# KiCad board RADAR_Main_Board.kicad_pcb (continued)
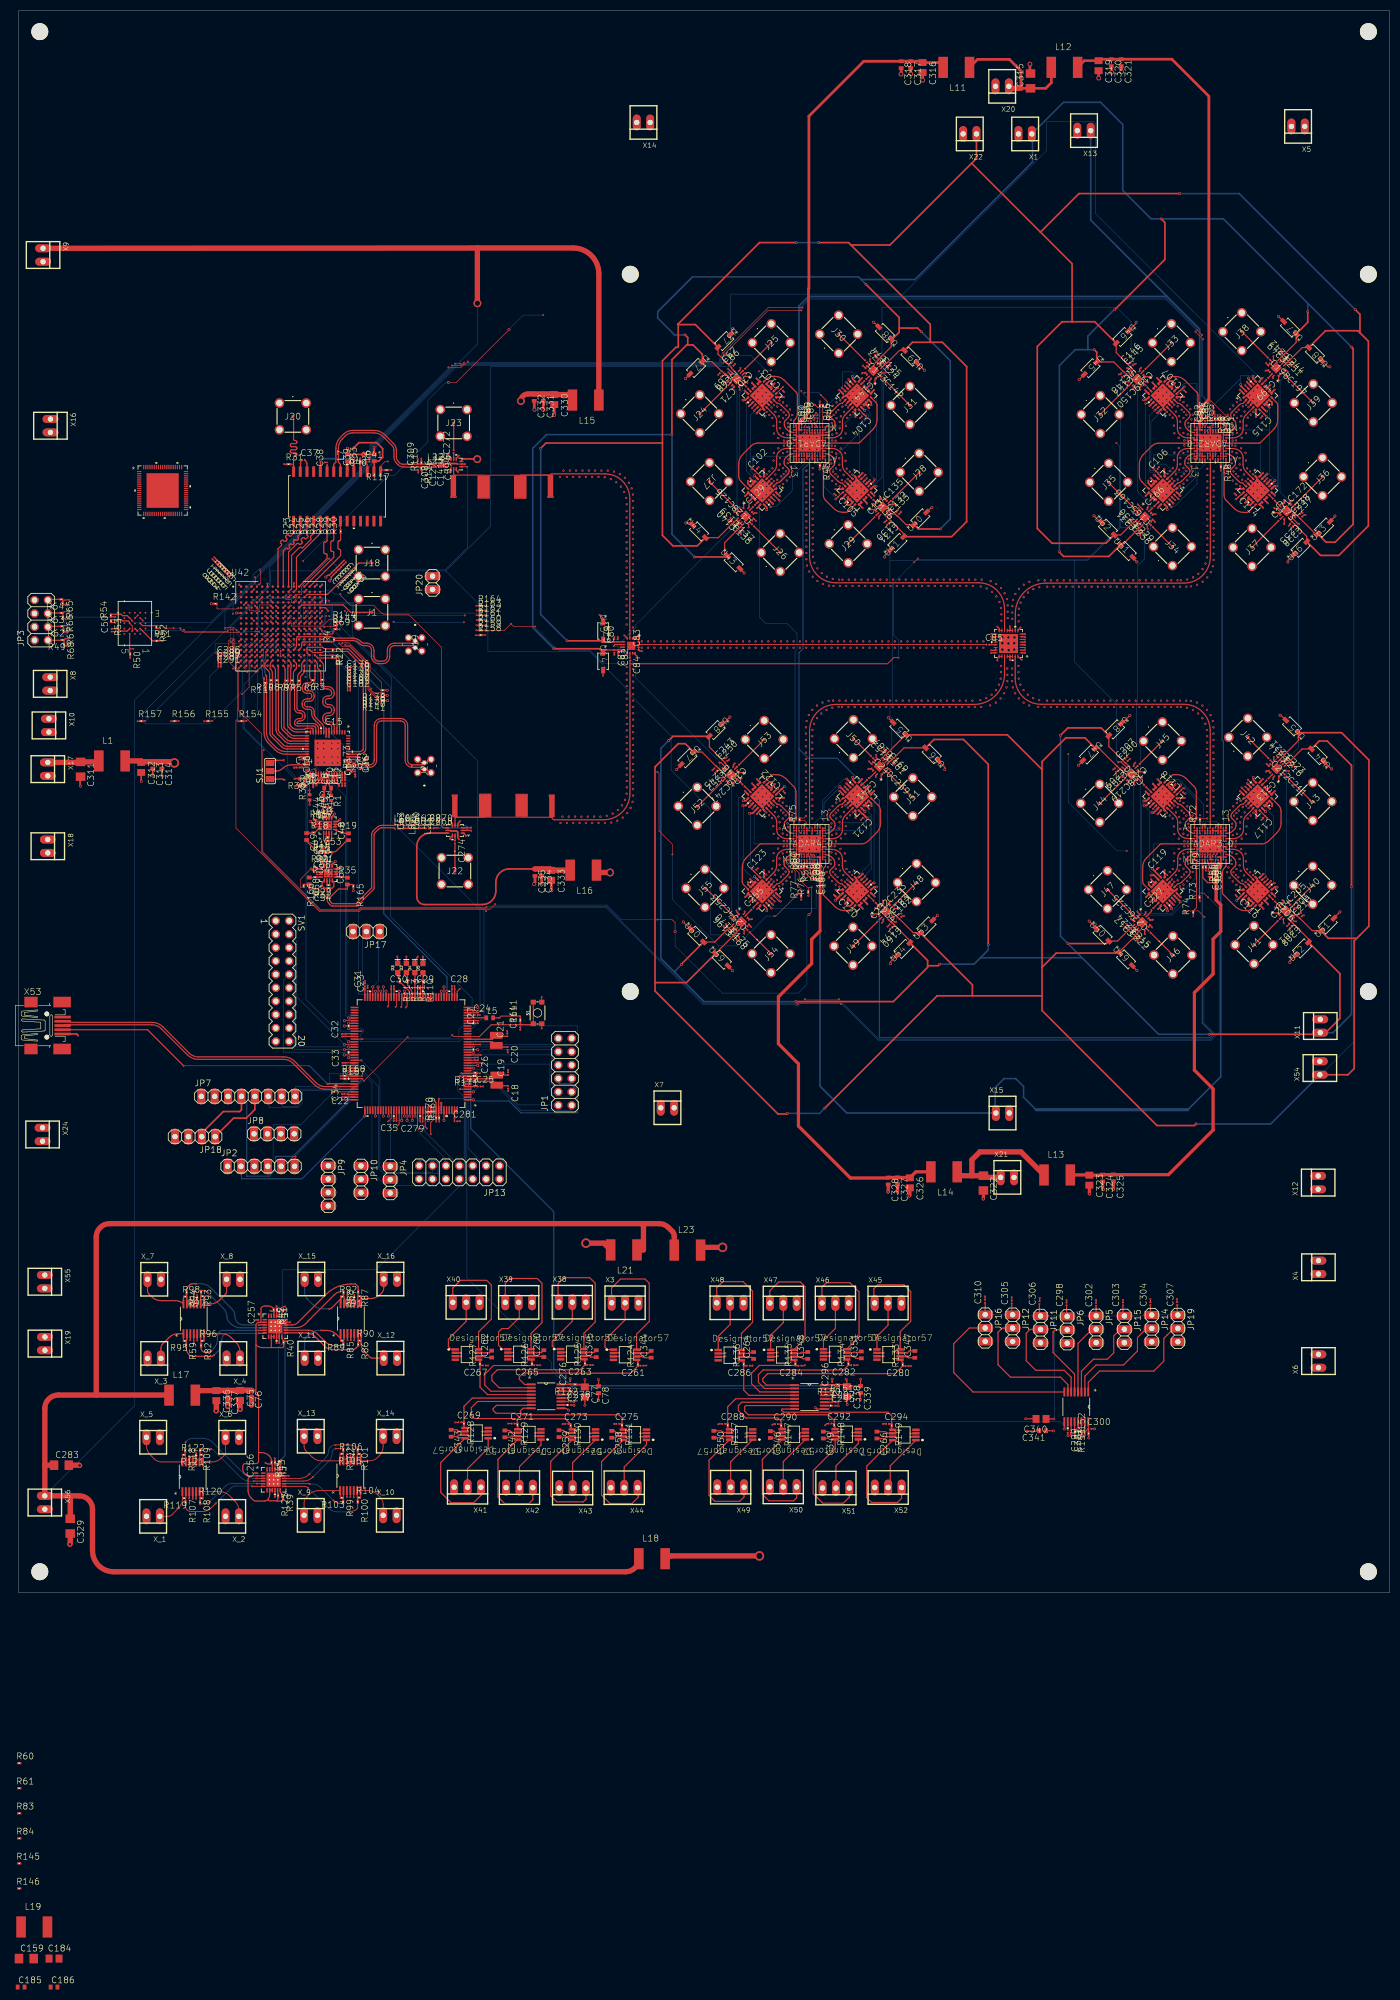
[diagram p0: board, top side]
## Routing (per net, layer and track width the routed paths; a pad name or vN(x,y) marks a point on that pad's centre or on a via; arc(x,y) is an arc through that point) (continued)
FPGA_FLASH_DQ0: length 40.3
  Top w0.15: U9.D3 22.55,185.33 v1(22.58,185.33) ; U42.J13 v2(54.55,182.41)
  In5.Cu w0.1: v1(22.58,185.33) 22.6,185.3 22.95,184.95 45.1,184.95 47.7,187.55 53.65,187.55 55.35,185.85 55.35,185.8 55.6,185.55 55.65,185.55 55.95,185.25 55.95,185.05 55.2,184.3 55.2,183.05 54.6,182.45 v2(54.55,182.41)
FPGA_FLASH_DQ1: length 61.3
  Top w0.15: v1(23.53,184.34) 23.52,184.34 U9.D2 ; U42.J14 v2(55.55,182.41)
  In7.Cu w0.1: v1(23.53,184.34) 23.55,184.3 23.55,184.2 26.65,181.1 26.65,168.45 30.15,164.95 34.4,164.95 35.05,165.6 35.9,165.6 36.55,164.95 40.75,164.95 41.4,165.6 42.35,165.6 43,164.95 44.9,164.95 55.1,175.15 55.1,175.2 54.8,175.5 54.8,179.45 55.35,180 55.35,182 55.6,182.25 55.6,182.4 v2(55.55,182.41)
FPGA_FLASH_DQ2: length 53.9
  Top w0.1: v1(31.3,182.6) 31.65,182.25 39.5,182.25 v1(39.65,182.4)
  Top w0.15: v1(21.55,182.32) 21.54,182.33 21.54,182.33 21.54,183.32 U9.C4
  Top w0.204: R53.1 19.49,184.5 19.73,184.28 20.75,184.28 21.04,183.99 U9.C4
  In5.Cu w0.1: v1(58.35,188.1) v1(58.35,185.2)
  Bottom w0.1: v1(58.35,188.1) 58.1,188.1 57.65,188.55 56.45,188.55 55.85,187.95 54.25,187.95 53.65,188.55 46.45,188.55 45.85,187.95 45,187.95 39.65,182.6 v1(39.65,182.4) ; v1(58.35,185.2) 58.2,185.05 58.2,183.9 57.1,182.8 56.4,182.8 56.2,182.6 56.2,181.8 v1(56.18,181.78) ; v1(31.3,182.6) 30.85,182.6 30.75,182.5 22.85,182.5 22.7,182.65 21.85,182.65 21.55,182.35 v1(21.55,182.32)
FPGA_FLASH_DQ3: length 53.9
  Top w0.15: v1(59.6,181.95) 59.43,181.78 U42.K16 ; U9.D4 21.53,184.33 21.53,184.33 v1(21.53,184.32)
  Top w0.204: U9.D4 20.58,185.28 19.7,185.28 19.42,185.55 R54.2
  In5.Cu w0.1: v1(58.85,188.1) 59.1,187.85 59.1,186.05 58.9,185.85 v1(58.9,185.2) ; v1(41.3,189.1) 41.45,188.95 47.45,188.95 v1(47.6,189.1)
  Bottom w0.1: v1(47.6,189.1) 47.95,188.75 57.75,188.75 58.05,188.45 58.5,188.45 v1(58.85,188.1) ; v1(59.6,181.95) 59.6,182.35 59.05,182.9 59.05,185.05 v1(58.9,185.2) ; v1(41.3,189.1) 41.3,188.85 36.45,184 21.85,184 21.55,184.3 v1(21.53,184.32)
FPGA_FLASH_NCS: length 36.8
  Top w0.1: R52.1 26.2,183.4 27.1,183.4 27.6,182.9 v1(29.4,182.9) ; v1(30.65,182.9) 30.65,182.7 31.1,182.25 31.35,182.25 31.55,182.05 41.55,182.05 v1(41.7,182.2) ; v1(45.6,182.25) 45.55,182.3 v1(44.9,182.3)
  Top w0.204: U9.C2 23.48,183.38 R52.1
  In5.Cu w0.1: v1(51.55,177.4) 51.35,177.2 50.75,177.2 v1(50.55,177.4)
  Bottom w0.1: v1(29.4,182.9) v1(30.65,182.9) ; v1(44.9,182.3) 43.2,182.3 42.95,182.05 41.85,182.05 v1(41.7,182.2) ; v1(45.6,182.25) 45.6,182.1 46.65,181.05 46.7,181.05 47.2,180.55 47.2,180.5 47.65,180.05 47.7,180.05 48.2,179.55 48.2,179.5 48.65,179.05 48.7,179.05 50.35,177.4 v1(50.55,177.4) ; v1(53.18,180.78) 53.15,180.75 52.65,180.75 51.7,179.8 51.4,179.8 51.2,179.6 51.2,177.75 v1(51.55,177.4)
FPGA_FLASH_NRST: length 301.9
  Top w0.15: 21.04,178.89 21.14,178.99 21.75,178.99 v1(21.75,178.99)
  Top w0.204: 54.14,180.82 v1(54.18,180.78) ; U9.A4 21.04,178.34 R50.1
  In7.Cu w0.1: v1(54.18,180.78) 54.2,180.8 54.35,180.8 54.65,181.1 54.9,181.1 55.15,181.35 55.15,181.5 55.05,181.6 55.05,181.9 55.1,181.95 55.1,182 55.05,182.05 55.2,182.2 55.2,182.65 55.05,182.8 55.05,183.1 55.65,183.7 55.65,183.75 57.45,185.55 69.65,185.55 v1(71.1,184.1) ; v1(21.75,178.99) 21.75,178.95 21.75,178.85 22.1,178.5 22.1,166.35 62.35,126.1 62.35,124.4 62.8,123.95 63.1,123.95 72.2,114.85 78.75,114.85 82.65,110.95 86.45,110.95 86.85,110.55 87.6,110.55 112.3,135.25 112.75,135.25 119.3,141.8 142.25,141.8 143.7,140.35 143.8,140.35 143.95,140.2 144.2,140.2 144.4,140 144.6,140 144.8,139.8 144.9,139.8 145.25,139.45 145.3,139.45 145.55,139.7 146.05,139.7 146.1,139.75 146.25,139.75 146.75,139.25 149.25,139.25 149.55,139.55 149.55,139.6 149.8,139.85 149.8,140.15 149.6,140.35 147.95,140.35 146.1,142.2 146.1,142.65 145.15,143.6 144.05,143.6 142.1,145.55 138.15,145.55 117.3,166.4 106.3,166.4 88.6,184.1 84.53,184.1 84.44,184.01 v1(84.44,184.01)
  Bottom w0.1: v1(84.44,184.01) 72.36,184.01 72.35,184 71.2,184 v1(71.1,184.1)
FPGA_PUDC_B: length 4.7
  Top w0.1: R69.1 59.8,182.7 59.8,182.3 v1(58.05,182.3)
  In5.Cu w0.1: v1(58.05,182.3) 57.95,182.3 56.45,180.8 56.2,180.8 v1(56.18,180.78)
FPGA_SYS_CLOCK: length 14.6
  Top w0.204: U42.E12 53.7,187.3 61.55,187.3 62.95,185.9 J1.1
FPGA_TCK: length 41.8
  Top w0.204: v1(9.25,183.4) 8.61,183.4 R62.1 8.48,183.24 R67.1 ; U42.L7 v2(47.81,180.41)
  In5.Cu w0.204: v1(9.25,183.4) 9.25,183.25 11.5,181 47.25,181 47.75,180.5 v2(47.81,180.41)
FPGA_TDI: length 47.4
  Top w0.15: v1(9.6,188.25) 8.74,188.25 R65.1 ; U42.N7 v2(47.81,178.41)
  Top w0.204: R65.1 8.33,188.35 R64.1
  In5.Cu w0.1: v1(9.6,188.25) 9.75,188.25 14.75,183.25 45.25,183.25 46.5,182 47.75,182 48.25,181.5 48.25,178.5 48,178.5 v2(47.81,178.41)
FPGA_TDO: length 52.3
  Top w0.15: R63.1 8.58,186 v1(9.6,186) ; U42.N8 v2(48.81,178.41)
  Top w0.204: R63.1 8.38,185.77 R66.1
  In5.Cu w0.1: v1(9.6,186) 9.5,186 9.5,187.75 9.25,188 9.25,188.5 9.5,188.75 9.75,188.75 15,183.5 48.25,183.5 49.25,182.5 49.25,178.5 49,178.5 v2(48.81,178.41)
FPGA_TMS: length 41.2
  Top w0.15: U42.M7 v2(47.81,179.41)
  Top w0.204: v1(9.45,180.9) 8.81,180.9 R49.1 8.58,180.65 R68.1
  In5.Cu w0.1: v2(47.81,179.41) 47.75,179.5 47.25,180 12,180 11.25,180.75 9.5,180.75 v1(9.45,180.9)
GYR_INT: length 15.3
  Top w0.152: U2.98 v5(62.58,98.48)
  Bottom w0.1: v5(62.58,98.48) 62.5,98.5 59,98.5 59,96.5 58.5,96 52.5,96 52.5,94.25 JP7.8
LNA_BIAS_1: length 83
  Top w0.1: ADTR1107_4.23 156.8,227.85 156.79,227.85
  Top w0.2: v2(144.28,207.1) 144.28,207.1 ADTR1107_1.23 ; 156.79,227.85 v2(156.15,228.5) ; v2(139.5,224.15) 139.53,224.15 ADTR1107_3.23 ; ADAR1_0.A11 v1(148,214.48) ; v2(160.6,211.95) 160.57,211.95 ADTR1107_2.23
  In5.Cu w0.1: v2(139.5,224.15) 139.5,224.25 140,224.75 141.75,224.75 146,229 155.75,229 156.25,228.5 v2(156.15,228.5)
  Bottom w0.1: v1(148,214.48) 148,214.5 143.75,210.25 143.75,209.5 ; 143.75,209.5 141.5,211.75 141.5,212.25 139.25,212.25 138.75,212.75 138.75,223.25 139.5,224 v2(139.5,224.15) ; 143.75,209.5 143.75,207.75 144.25,207.25 v2(144.28,207.1) ; v2(156.15,228.5) 156.25,228.5 156.25,231.5 158,231.5 162.75,226.75 162.75,211 162.25,210.5 161,210.5 160.5,211 160.5,212 v2(160.6,211.95)
LNA_BIAS_2: length 107.9
  Top w0.1: 216.15,224.84 216.2,224.8 ADTR1107_7.23 ; 215.5,224.2 v2(215.47,224.2)
  Top w0.2: ADTR1107_5.23 219.97,207.4 v2(219.97,207.4) ; v1(223.97,214.57) 224,214.6 ADAR2_0.A11 ; 216.15,224.84 215.5,224.2
  Top w0.3: ADTR1107_8.23 231.8,228.82 231.8,229.08 v3(231.78,229.08) ; ADTR1107_6.23 236.75,212.12 v3(236.78,212.12)
  Bottom w0.1: 231.75,230.25 224.5,223 224.5,220 225.25,219.25 225.25,216.75 225,216.5 225,215.5 224,215.5 223.5,216 223.5,229.25 221,229.25 220.75,229 220.75,228.5 216.5,224.25 215.5,224.25 ; 231.75,230.25 231.75,230.75 233.5,230.75 238.75,225.5 238.75,210.25 237.5,210.25 236.5,211.25 236.5,211.75 236.75,212 v3(236.78,212.12) ; 231.75,230.25 231.75,229.25 v3(231.78,229.08) ; 220.5,208.75 223.25,211.5 223.25,213.75 224,214.5 v1(223.97,214.57) ; 220.5,208.75 217.5,211.75 217.5,212.5 214.5,212.5 214.5,223.25 215.5,224.25 ; 220.5,208.75 220,208.25 220,207.5 v2(219.97,207.4) ; 215.5,224.25 v2(215.47,224.2)
LNA_BIAS_3: length 90.5
  Top w0.1: v2(236.55,135.8) 236.52,135.8 ; ADTR1107_10.23 235.85,135.2 235.89,135.16
  Top w0.2: 236.52,135.8 235.88,135.16 ; v1(228.1,145.45) 228,145.35 ADAR3_0.A11 ; ADTR1107_12.23 231.95,152.67 v2(231.95,152.68)
  Top w0.3: v3(220.3,130.98) 220.3,131.08 ADTR1107_9.23 ; ADTR1107_11.23 215.3,147.93 v3(214.95,147.93)
  In7.Cu w0.1: v1(228.1,145.45) 228.25,145.5 228.25,149.25 231.5,152.5 232,152.5 v2(231.95,152.68)
  Bottom w0.1: v3(220.3,130.98) 220.25,130.75 219.25,129.75 219.25,129.5 218.5,128.75 213,128.75 213,149.5 213.25,149.75 216.75,149.75 ; 216.75,149.75 218.25,151.25 218.25,154.25 220,154.25 224.75,149.5 224.75,146.25 227.25,146.25 228,145.5 v1(228.1,145.45) ; 216.75,149.75 215.5,148.5 215.5,148.25 215,147.75 v3(214.95,147.93) ; v2(236.55,135.8) 236.5,135.75 236.5,146.25 233,149.75 233,151.5 232,152.5 v2(231.95,152.68)
LNA_BIAS_4: length 74.1
  Top w0.1: 160.52,135.82 160.55,135.8 v2(160.55,135.82) ; 159.88,135.18 159.85,135.2 ADTR1107_14.23
  Top w0.15: v1(152.03,145.45) 152,145.43 ADAR4_0.A11
  Top w0.2: ADTR1107_13.23 144.28,131.1 v2(144.53,131.1) ; 159.88,135.18 160.52,135.82
  Top w0.3: ADTR1107_15.23 139.18,147.8 v3(138.62,147.8) ; ADTR1107_16.23 155.77,152.85 v3(155.75,152.85)
  In7.Cu w0.1: v1(152.03,145.45) 152,145.5 152.75,144.75 152.75,138.5 145.5,131.25 144.5,131.25 v2(144.53,131.1)
  Bottom w0.1: 155.5,152.5 156.75,152.5 161.75,147.5 161.75,137.25 160.5,136 v2(160.55,135.82) ; 155.5,152.5 152.75,149.75 152.75,146.25 152,145.5 v1(152.03,145.45) ; 155.5,152.5 155.75,152.75 v3(155.75,152.85) ; v3(138.62,147.8) 138.75,147.75 138.75,138.25 143,134 143,132.75 144.5,131.25 v2(144.53,131.1)
M3S_VCTRL: length 659.7
  Top w0.15: U42.G15 v2(56.55,185.15)
  Top w0.2: v1(240.6,234.35) 240.6,234.01 RF_SW_8.6 ; v1(210.2,232.2) 210.55,232.2 210.95,231.8 210.95,231.64 RF_SW_7.6 ; RF_SW_3.6 134.56,232.1 v1(134.55,232.1) ; RF_SW_12.6 240.19,157.55 240.2,157.55 240.75,158.1 v1(240.75,158.3) ; v1(210.95,125.2) 210.95,125.29 RF_SW_9.6 ; RF_SW_1.6 135.8,202.39 v1(135.8,202.35) ; v1(112.85,179.55) 113.09,179.79 U$1.6 ; v1(135,125.25) 135,125.55 135.4,125.95 135.46,125.95 RF_SW_13.6 ; v1(208.55,157.55) 209.09,157.55 RF_SW_11.6 ; RF_SW_14.6 166.11,127.2 v1(166.4,127.2) ; RF_SW_5.6 211.5,202.19 v1(211.5,202.05) ; v1(165.45,158.85) 165.45,158.56 RF_SW_16.6 ; RF_SW_15.6 133.9,156.64 133.9,156.7 133.2,157.4 v1(132.9,157.4) ; RF_SW_10.6 241.55,127.76 241.55,127.7 241.95,127.3 v1(242.3,127.3) ; v1(164.3,233.85) 164.3,233.62 RF_SW_4.6 ; v1(165.45,203.95) 165.41,203.95 RF_SW_2.6 ; RF_SW_6.6 242.61,202.7 v1(242.9,202.7)
  In5.Cu w0.1: v1(61.85,186.14) 61.85,186.14 61.87,186.14 62.84,185.18 v1(63.63,185.18) ; v1(134.55,232.1) 134.5,232.25 134.5,235.25 161.25,235.25 162.5,234 164.25,234 v1(164.3,233.85) ; v1(210.2,232.2) 210.25,232.25 210,232.25 210,232.75 212.32,235.07 229.23,235.07 230.25,237 230.5,237.25 234.55,237.25 236.35,235.45 237.55,235.45 238.25,234.75 240,234.75 240.5,234.25 v1(240.6,234.35)
  In7.Cu w0.1: v1(112.85,179.55) 112.75,179.5 107.25,185 88.25,185 87.5,185.75 85.07,185.75 84.62,185.3 v1(84.61,185.32) ; v1(61.85,186.14) 61.53,185.83 57.08,185.83 56.5,185.25 v2(56.55,185.15)
  Bottom w0.1: 240.75,158.25 242.75,160.25 242.75,202.75 ; 240.75,158.25 240.5,158 240.5,131.25 241.25,130.5 241.25,127.25 242.25,127.25 v1(242.3,127.3) ; 240.75,158.25 v1(240.75,158.3) ; v1(240.6,234.35) 240.25,234 240.25,230.75 239.25,229.75 239.25,208.75 241.5,206.5 241.5,204 242.75,202.75 ; 200.25,195.75 202.75,195.75 209,202 ; 200.25,195.75 165.25,195.75 ; 200.25,195.75 200.25,176.5 208.25,168.5 208.25,157.75 208.5,157.5 ; 208.5,157.5 208.5,155.75 211.5,152.75 211.5,125.75 v1(210.95,125.2) ; 208.5,157.5 v1(208.55,157.55) ; 165.25,195.75 165.25,191.75 165.75,191.25 165.75,168.5 165.25,168 165.25,166.25 165.5,166 165.5,159 v1(165.45,158.85) 165.5,158.75 164.75,158 164.75,130 166.5,128.25 166.5,127.25 v1(166.4,127.2) ; 165.25,195.75 165.25,203.75 v1(165.45,203.95) 165.5,204 165,204.5 165,205.75 164,206.75 164,233.5 164.25,233.75 v1(164.3,233.85) ; 209,202 209,229.75 210.25,231 210.25,232.25 v1(210.2,232.2) ; 209,202 211.5,202 v1(211.5,202.05) ; 242.75,202.75 v1(242.9,202.7) ; 133,157.5 117,173.5 117,176 113.5,179.5 ; 133,157.5 v1(132.9,157.4) ; 133,157.5 133,156 135.25,153.75 135.25,125.5 v1(135,125.25) ; 113.5,179.5 117,183 117,183.5 135.75,202.25 v1(135.8,202.35) 135.75,202.5 136.25,203 136.25,227.75 135.25,228.75 135.25,231.25 134.5,232 v1(134.55,232.1) ; 113.5,179.5 113,179.5 v1(112.85,179.55) ; v1(63.63,185.18) 63.63,185.23 63.71,185.32 v1(84.61,185.32)
MAG_DRDY: length 25.3
  Top w0.152: U2.96 v1(62.68,99.48)
  Bottom w0.1: v1(62.68,99.48) 62.75,99.5 63.5,99.5 63.5,98.25 60.5,95.25 53.75,95.25 53.75,92.75 53,92 47.5,92 47.5,94 JP7.6
MIX_RX_EN: length 72.9
  Top w0.1: v1(50.7,189.1) 50.7,188.35 50.75,188.3 51.65,188.3 51.7,188.25 51.7,187.8 52.15,187.8 U42.D11 ; v1(61,189.35) 61,189.15 62.9,187.25 67.3,187.25 68.8,185.75 69,185.75 69.2,185.55 73.9,185.55 80.15,179.3 80.15,146.8 v1(80.22,146.77)
  Top w0.15: v1(80.22,146.77) 80.22,146.77 80.22,145.36 80.53,145.05 U13.7 ; U42.D11 v2(52.55,188.15)
  Bottom w0.1: v1(61,189.35) 59.9,189.35 59.2,190.05 58.25,190.05 58,189.8 51.7,189.8 51.15,189.25 50.85,189.25 v1(50.7,189.1)
MIX_RX_N: length 9.1
  Top w0.204: v1(85.81,145.11) 85.81,145.03 85.04,145.03 85.02,145.05 U13.3 ; v1(79.51,145.57) 79.44,145.49 78.82,145.49 arc(78.72,145.51) C270.2
  Bottom w0.204: v1(85.81,145.11) 85.34,145.11 arc(85.31,145.11) 85.28,145.13 arc(84.88,145.4) 84.4,145.49 79.51,145.49 v1(79.51,145.57)
MIX_RX_P: length 9.1
  Top w0.204: U13.2 85.02,144.55 85.04,144.57 85.81,144.57 v1(85.81,144.5) ; v1(79.51,144.96) 79.44,145.03 78.84,145.03 arc(78.74,145.01) C268.2
  Bottom w0.204: v1(79.51,144.96) 79.51,145.03 84.4,145.03 arc(84.7,144.97) 84.95,144.8 arc(85.29,144.57) 85.69,144.5 v1(85.81,144.5)
MIX_TX_EN: length 56.8
  Top w0.1: v1(58.9,196.1) 54.05,191.25 54.05,191.2 53.7,190.85 53.7,189.35 53.65,189.3 52.75,189.3 52.7,189.25 52.7,188.8 52.35,188.8 52.35,188.85 U42.C11
  Top w0.15: U5.7 85.06,213.51 85.07,213.5 v1(85.07,213.5) ; U42.C11 v2(52.55,189.15)
  Bottom w0.1: v1(58.9,196.1) 61.05,193.95 80.9,193.95 85.1,198.15 85.1,213.45 v1(85.07,213.5)
N$1: length 0.8
  Top w0.204: U69.11 49.1,18.93 arc(49.13,18.8) R123.1
N$2_N: length 28
  Top w0.204: J21.2 76.53,156.99 74.65,156.99 arc(74.03,157.25) 73.77,157.87 73.77,164.43 arc(73.37,165.38) 72.42,165.78 68.78,165.78 arc(67.83,165.38) 67.43,164.43 67.43,157.87 arc(67.17,157.25) 66.55,156.99 65.45,156.99 65.35,157.08 C2.2
N$2_P: length 28
  Top w0.204: J21.1 76.54,156.52 74.65,156.52 arc(73.7,156.92) 73.3,157.87 73.3,164.43 arc(73.05,165.05) 72.42,165.31 68.78,165.31 arc(68.15,165.05) 67.9,164.43 67.9,157.87 arc(67.5,156.92) 66.55,156.52 65.45,156.52 65.35,156.43 C1.2
N$4: length 4.3
  Top w0.204: U1.36 58.85,153.33 arc(58.91,153.03) 59.09,152.76 C3.1 arc(59.24,152.56) 59.23,152.52 R1.1
N$5: length 2.4
  Top w0.2: U4.1 57.84,142.76 57.98,142.62 R15.2 C43.2
N$6: length 7.3
  Top w0.204: SJ1.2 48.87,155.81 arc(49.51,155.94) 50.05,156.3 arc(50.83,156.82) 51.74,157 U1.26
N$7: length 1.2
  Top w0.2: U2.71 66.17,112.96 C23.1
N$8: length 1.4
  Top w0.2: C22.1 62.42,94.48 U2.106
N$9: length 5.5
  Top w0.2: L5.1 85.13,109.02 U2.32 U2.33 85.13,109.52 C24.1
N$10: length 1.8
  Top w0.204: U3.1 52.14,203.2 R23.2
N$11: length 1.9
  Top w0.204: U3.2 53.4,201.39 R24.2
N$12: length 1.8
  Top w0.204: U3.3 54.68,201.39 R25.2
N$13: length 1.8
  Top w0.204: R26.2 55.95,201.4 U3.4
N$14: length 1.8
  Top w0.204: U3.5 57.21,201.44 R27.2
N$15: length 2.5
  Top w0.2: U4.4 59.35,144.07 59.35,142.73 59.25,142.62 R15.1 58.86,142.09 C43.1
N$16: length 1.8
  Top w0.204: U3.6 58.48,201.44 R28.2
N$17: length 6.3
  Top w0.204: U1.31 56.35,155.91 arc(56.32,156.04) v2(56.25,156.15) ; R38.2 55.16,152.13 arc(55.16,152.14) v2(55.15,152.15)
  Bottom w0.204: v2(56.25,156.15) 55.84,156.15 arc(55.71,156.12) 55.6,156.05 arc(55.27,155.55) 55.15,154.96 v2(55.15,152.15)
N$18: length 1.8
  Top w0.204: R29.2 59.76,201.45 U3.7
N$19: length 1.8
  Top w0.204: U3.8 61.02,201.5 R30.2
N$20: length 1.1
  Top w0.204: U5.11 82.49,216.09 C272.1
N$21: length 1
  Top w0.204: C83.2 115.92,181.91 U$1.3
N$22: length 1.6
  Top w0.152: R33.1 U3.18
N$23: length 5.2
  Top w0.204: J23.1 C272.2
N$24: length 5.3
  Top w0.204: C274.2 82.74,136.86 J22.1
N$25: length 3.8
  Top w0.204: R51.1 25.37,180.49 U9.B2
N$26: length 66
  Top w0.152: C85.1 183.58,179.79 U$1.15
N$32: length 2.5
  Top w0.204: JP3.1 8.02,180.61 R49.2
N$33: length 2.5
  Top w0.204: JP3.3 5.65,183.26 R62.2
N$34: length 2.4
  Top w0.204: R63.2 5.63,185.79 JP3.5
N$35: length 0.8
  Top w0.2: U4.3 58.86,144.06 R14.1
N$36: length 2.3
  Top w0.204: JP3.7 5.67,188.36 R64.2
N$37: length 1.2
  Top w0.204: C38.1 58.49,212.6 arc(58.49,212.59) U3.23
N$38: length 0.9
  Top w0.204: U$1.10 115.92,177.28 C84.1
N$39: length 3
  Top w0.1: R45.1 152.05,214 v1(152.44,214.39) ; 152,216.03 v1(152,216.03) ADAR1_0.B3
  Bottom w0.1: v1(152,216.03) 152,214.85 152.45,214.4 v1(152.44,214.39)
N$40: length 2.8
  Top w0.15: R48.1 228.03,214.29 v1(228,214.32) ; ADAR2_0.B3 v1(228,216.05)
  Bottom w0.15: v1(228,216.05) v1(228,214.32)
N$41: length 3.2
  Top w0.204: U1.29 55.35,154.62 arc(55.34,154.56) 55.3,154.5 arc(55.13,154.39) 54.94,154.35 R36.1 54.33,153.04 arc(54.32,153.01) R37.2
N$42: length 3.7
  Top w0.15: ADAR2_0.M9 v1(225,219.98) ; v1(225.92,222.15) 225.91,222.16 C87.1
  Bottom w0.15: v1(225,219.98) 225.92,220.9 v1(225.92,222.15)
N$43: length 4.3
  Top w0.204: U1.35 58.35,153.47 arc(58.26,153.02) 58,152.63 C3.2 57.96,151.61 arc(57.92,151.39) R13.1
N$45: length 3.7
  Top w0.15: C86.1 226.36,222.28 v1(226.38,222.28) ; v1(225.57,219.98) 225.5,220.05 ADAR2_0.M8
  Bottom w0.15: v1(225.57,219.98) 226.2,220.6 226.2,221.75 226.35,221.9 226.35,222.28 v1(226.38,222.28)
N$46: length 1.5
  Top w0.15: ADAR2_0.N10 224.5,221.23 225.01,221.74 C92.1
N$48: length 0.8
  Top w0.2: U4.2 58.35,144.07 R14.2
N$49: length 1.3
  Top w0.204: U4.5 60.21,144.5 arc(60.67,144.41) R19.1
N$50: length 1.2
  Top w0.204: R18.2 56.76,144.74 U4.16
N$51: length 0.7
  Top w0.15: U4.14 56.48,145.74 C47.2
N$52: length 2.7
  Top w0.204: U2.50 76.66,115.53 arc(76.67,115.58) R110.2
N$53: length 1.4
  Top w0.15: C93.1 225.47,221.72 225,221.25 ADAR2_0.N9
N$56: length 1.2
  Top w0.204: C44.1 58.12,147.54 arc(58.28,147.3) 58.34,147.02 U4.11
N$57: length 3
  Top w0.15: v1(224.1,143.98) 224.07,143.98 224,144.05 ADAR3_0.B3 ; v1(224.04,145.86) 224.04,146.3 R72.1
  Bottom w0.15: v1(224.04,145.86) 224.05,145.88 224.1,145.82 v1(224.1,143.98)
N$58: length 0.3
  Top w0.204: C61.1 74.99,144.93 arc(74.98,144.93) L3.2
N$59: length 3.3
  Top w0.15: C95.1 226.19,137.96 v1(226.62,138.4) ; v1(227.25,140.1) 227,139.85 ADAR3_0.M9
  Bottom w0.15: v1(227.25,140.1) 227.25,139.03 v1(226.62,138.4)
N$60: length 3.3
  Top w0.15: ADAR3_0.M8 226.5,139.7 226.39,139.81 v1(226.66,140.09) ; v1(226.15,138.43) 225.69,137.96 C94.1
  Bottom w0.15: v1(226.66,140.09) 226.28,139.7 226.28,138.55 v1(226.15,138.43)
N$61: length 3.2
  Top w0.15: ADAR3_0.N10 227.5,138.25 226.57,137.32 226.57,136.62 C96.1
N$62: length 0.4
  Top w0.204: C62.1 L4.2
N$63: length 3.3
  Top w0.15: ADAR3_0.N9 227,138.23 226.67,137.9 v1(226.65,137.9) ; C97.1 225.71,136.38 v1(226.15,136.82)
  Bottom w0.15: v1(226.15,136.82) 226.65,137.32 v1(226.65,137.9)
N$64: length 4.6
  Top w0.1: ADAR4_0.B3 148.1,144.5 148.1,144.15 148.2,144.05 v1(148.4,144.05) ; v1(149.35,145.8) 149.35,146.15 149.1,146.4 148.15,146.4 R75.1
  Bottom w0.1: v1(148.4,144.05) 148.4,144.35 149.35,145.3 v1(149.35,145.8)
N$65: length 1.1
  Top w0.204: C45.1 59.2,147.72 arc(58.96,147.35) 58.87,146.92 U4.10
N$66: length 2
  Top w0.1: ADAR1_0.N9 149,221.25 149.5,221.75 149.97,221.75 150.26,222.04 C91.1
N$67: length 1
  Top w0.204: 58.58,148.94 58.77,148.94 arc(58.79,148.93) R17.2 ; 58.58,148.94 R16.1 ; 58.58,148.94 arc(58.57,148.93) 58.57,148.92 C46.2
N$68: length 2.8
  Top w0.15: v1(150.6,138.5) 150.51,138.41 C99.1 ; ADAR4_0.M9 151,139.75 v1(150.75,140)
  Bottom w0.15: v1(150.75,140) 150.75,138.65 v1(150.6,138.5)
N$69: length 2.7
  Top w0.15: C98.1 149.98,138.44 v1(150.1,138.55) ; ADAR4_0.M8 150.5,139.75 v1(150.25,140)
  Bottom w0.15: v1(150.1,138.55) 150.25,138.7 v1(150.25,140)
N$70: length 2.6
  Top w0.15: ADAR4_0.N10 151.5,137.3 151.06,136.87 C100.1
N$71: length 0.4
  Top w0.204: C64.1 L9.2
N$72: length 1
  Top w0.204: U13.11 82.76,142.61 C274.1
N$73: length 1
  Top w0.204: C48.2 61.96,143.99 arc(61.75,144.03) R19.2
N$74: length 0.6
  Top w0.204: C70.2 137.35,231.72 RF_SW_3.3
N$75: length 2.6
  Top w0.15: C101.1 150.59,136.89 151,137.3 ADAR4_0.N9
N$76: length 4.9
  Top w0.1: 150.94,222.75 C89.1 150.9,222.67 v1(150.9,222.35) ; ADAR1_0.M9 149.03,220.48 v1(149.03,219.95)
  Bottom w0.1: v1(149.03,219.95) 149.22,220.15 149.22,221.88 149.75,222.4 150.9,222.4 v1(150.9,222.35)
N$77: length 4.8
  Top w0.1: C88.1 151.49,222.14 v1(151.42,222.07) ; ADAR1_0.M8 v1(149.5,219.95)
  Bottom w0.1: v1(149.5,219.95) 149.75,220.2 149.75,221.43 150.25,221.93 151.28,221.93 v1(151.42,222.07)
N$78: length 1.1
  Top w0.204: C49.1 55.39,144.04 arc(55.54,144.07) R18.1
N$79: length 2
  Top w0.1: ADAR1_0.N10 148.5,221.4 149.28,222.18 C90.1
N$80: length 1.9
  Top w0.15: ADAR2_0.N5 227,222.23 R78.2 226.88,222.34 R55.1
N$81: length 1.8
  Top w0.15: ADAR3_0.N4 224.5,137.95 R79.2 225.15,137.85 R56.1
N$82: length 0.4
  Top w0.204: C65.1 71.96,145.56 arc(71.95,145.56) L10.2
N$83: length 1.6
  Top w0.15: R58.1 148.97,137.95 R81.2 149,137.98 ADAR4_0.N5
N$84: length 1.8
  Top w0.15: 147.97,137.92 R57.1 148.39,137.92 R80.2 148.5,138.03 ADAR4_0.N4
N$85: length 2.8
  Top w0.2: C54.2 R32.2 58.02,133.6 57.55,134.07 57.55,134.65 U8.1
N$86: length 2.7
  Top w0.2: U8.4 59.77,134.77 59.77,133.93 59.45,133.6 R32.1 59.01,133.09 C54.1
N$87: length 0.9
  Top w0.2: U8.3 58.97,134.27 arc(58.98,134.22) R22.1
N$88: length 0.9
  Top w0.2: R22.2 58.5,135 arc(58.49,135.04) U8.2
N$89: length 0.8
  Top w0.204: R35.1 60.21,135.68 arc(60.16,135.69) U8.5
N$91: length 2.7
  Top w0.204: R112.2 75.15,112.97 arc(75.15,112.96) U2.53
N$92: length 1.5
  Top w0.204: D3.A 71.88,117.2 arc(71.99,116.65) R114.1
N$93: length 3
  Top w0.204: U2.54 74.66,113.29 arc(74.48,114.21) 73.95,115 arc(73.8,115.22) 73.75,115.48 R113.2
N$94: length 3.5
  Top w0.204: U2.55 74.16,113.62 arc(74.09,113.96) 73.9,114.25 72.6,115.55 arc(72.46,115.64) R114.2
N$95: length 1.5
  Top w0.204: R113.1 73.75,117.07 arc(73.69,117.36) D2.A
N$96: length 1.4
  Top w0.3: U3.19 63.54,212.6 C39.1
N$97: length 1.4
  Top w0.204: R112.1 75.15,117.53 arc(75.14,117.56) D4.A
N$98: length 1.4
  Top w0.204: R110.1 76.7,117.52 arc(76.69,117.55) D5.A
N$99: length 0.9
  Top w0.204: L22.2 78.55,214.02 arc(78.61,214.01) C141.1 78.96,213.97 arc(79.05,213.99) L26.1
N$100: length 0.9
  Top w0.204: RF_SW_3.15 137.33,229.34 C72.1
N$101: length 0.9
  Top w0.204: L27.1 78.77,213.43 arc(78.71,213.44) C141.2 78.39,213.47 arc(78.31,213.45) L25.2
N$102: length 0.7
  Top w0.3: C56.2 57.31,136.71 U8.14
N$103: length 0.8
  Top w0.204: R34.2 57.25,135.69 arc(57.29,135.7) U8.16
N$104: length 1.2
  Top w0.204: U8.11 58.47,138.82 arc(58.45,138.92) C51.1
N$105: length 1.2
  Top w0.204: U8.10 58.97,138.82 arc(58.99,138.94) C52.1
N$106: length 24.9
  Top w0.1: v1(61.3,180) 61.4,180.1 62.65,180.1 66.65,176.1 66.65,174.8 68.8,172.65 68.8,171.15 R138.2
  Top w0.15: U42.M9 v2(50.55,179.41)
  In5.Cu w0.1: v1(61.3,180) 60.95,179.65 59.6,179.65 59.05,180.2 51.85,180.2 51.45,179.8 50.95,179.8 50.6,179.45 v2(50.55,179.41)
N$107: length 23.8
  Top w0.1: v1(66.8,171.45) 66.8,171.25 67.4,170.65 68.8,170.65 68.8,170.5 R139.2
  Top w0.15: U42.M10 v2(51.55,179.41)
  In7.Cu w0.1: v1(54.4,173.65) 56.6,171.45 v1(66.8,171.45)
  Bottom w0.1: v1(54.4,173.65) 54.55,173.8 54.55,176.95 52.1,179.4 51.6,179.4 v2(51.55,179.41)
N$108: length 24.9
  Top w0.1: v1(61.95,179.75) 62.1,179.6 62.85,179.6 66.45,176 66.45,171.3 67.75,170 68.8,170 68.8,169.85 R140.2 ; U42.M11 52.2,179.8 v1(52.18,179.77)
  In5.Cu w0.1: v1(52.18,179.77) 52.2,179.75 53.65,178.3 60.65,178.3 61.95,179.6 v1(61.95,179.75)
N$109: length 27.6
  Top w0.1: v1(60.8,180) 61.4,179.4 62.75,179.4 66.25,175.9 66.25,171.2 68.75,168.7 68.8,168.7 68.8,169.15 R141.2
  Top w0.15: U42.L9 v2(50.55,180.41)
  In5.Cu w0.1: v1(60.8,180) 60.4,180.4 55.05,180.4 54.2,181.25 51.9,181.25 51.45,180.8 50.95,180.8 50.6,180.45 v2(50.55,180.41)
N$110: length 1.1
  Top w0.15: 58.68,140.45 58.65,140.48 C53.2
  Top w0.204: R20.1 R21.2
  Top w0.3: 58.68,140.46 58.68,140.45
N$111: length 0.9
  Top w0.204: R35.2 62.15,135.68 arc(62.25,135.66) C57.2
N$112: length 0.9
  Top w0.204: C58.1 55.81,135.62 arc(55.9,135.64) R34.1
N$113: length 1.6
  Top w0.204: L3.1 73.98,144.92 arc(73.91,144.94) C63.1 arc(73.8,144.95) 73.76,144.94 L8.2 72.99,144.94 arc(72.92,144.93) C64.2
N$114: length 14
  Top w0.1: v1(41.65,186.7) 41.5,186.55 37.65,186.55 37.6,186.6 R142.2 ; v2(47.81,187.15) 47.8,187.2 47.7,187.3 45.75,187.3 45.7,187.25 45.7,186.75 45.25,186.3 45.05,186.3 44.85,186.1 44.65,186.1 44.45,186.3 43.75,186.3 43.7,186.35 43.7,187.25 43.65,187.3 v1(43.55,187.3)
  Top w0.15: U42.E7 v2(47.81,187.15)
  Bottom w0.1: v1(43.55,187.3) 43.55,187.1 43.15,186.7 v1(41.65,186.7)
N$115: length 10.6
  Top w0.1: U42.H10 51.3,183.8 51.7,183.8 51.7,183.35 51.75,183.3 57.65,183.3 58.9,184.55 59.8,184.55 59.8,184.1 R144.1
  Top w0.15: U42.H10 v2(51.55,184.15)
N$116: length 9.8
  Top w0.1: R143.1 59.8,183.4 59.8,183.2 58.05,183.2 v1(57.95,183.1)
  Top w0.15: U42.K10 v2(51.55,181.41)
  In5.Cu w0.1: v1(57.95,183.1) 57.85,183.2 56.8,183.2 55.95,182.35 55.95,182.3 55.1,181.45 51.6,181.45 v2(51.55,181.41)
N$125: length 1.6
  Top w0.204: L4.1 74.03,145.56 arc(73.93,145.54) C63.2 73.35,145.48 arc(73.33,145.48) L8.1 73.03,145.5 arc(72.94,145.51) C65.2
N$127: length 0.6
  Top w0.204: RF_SW_3.10 134.98,229.35 C71.1
N$128: length 7
  Top w0.204: J25.1 137.81,232.08 137.76,232.08
N$129: length 7.1